# Altium PCB EDA-03518-V3-0_pcb.pcbdoc (part 10 of 14) (continued)
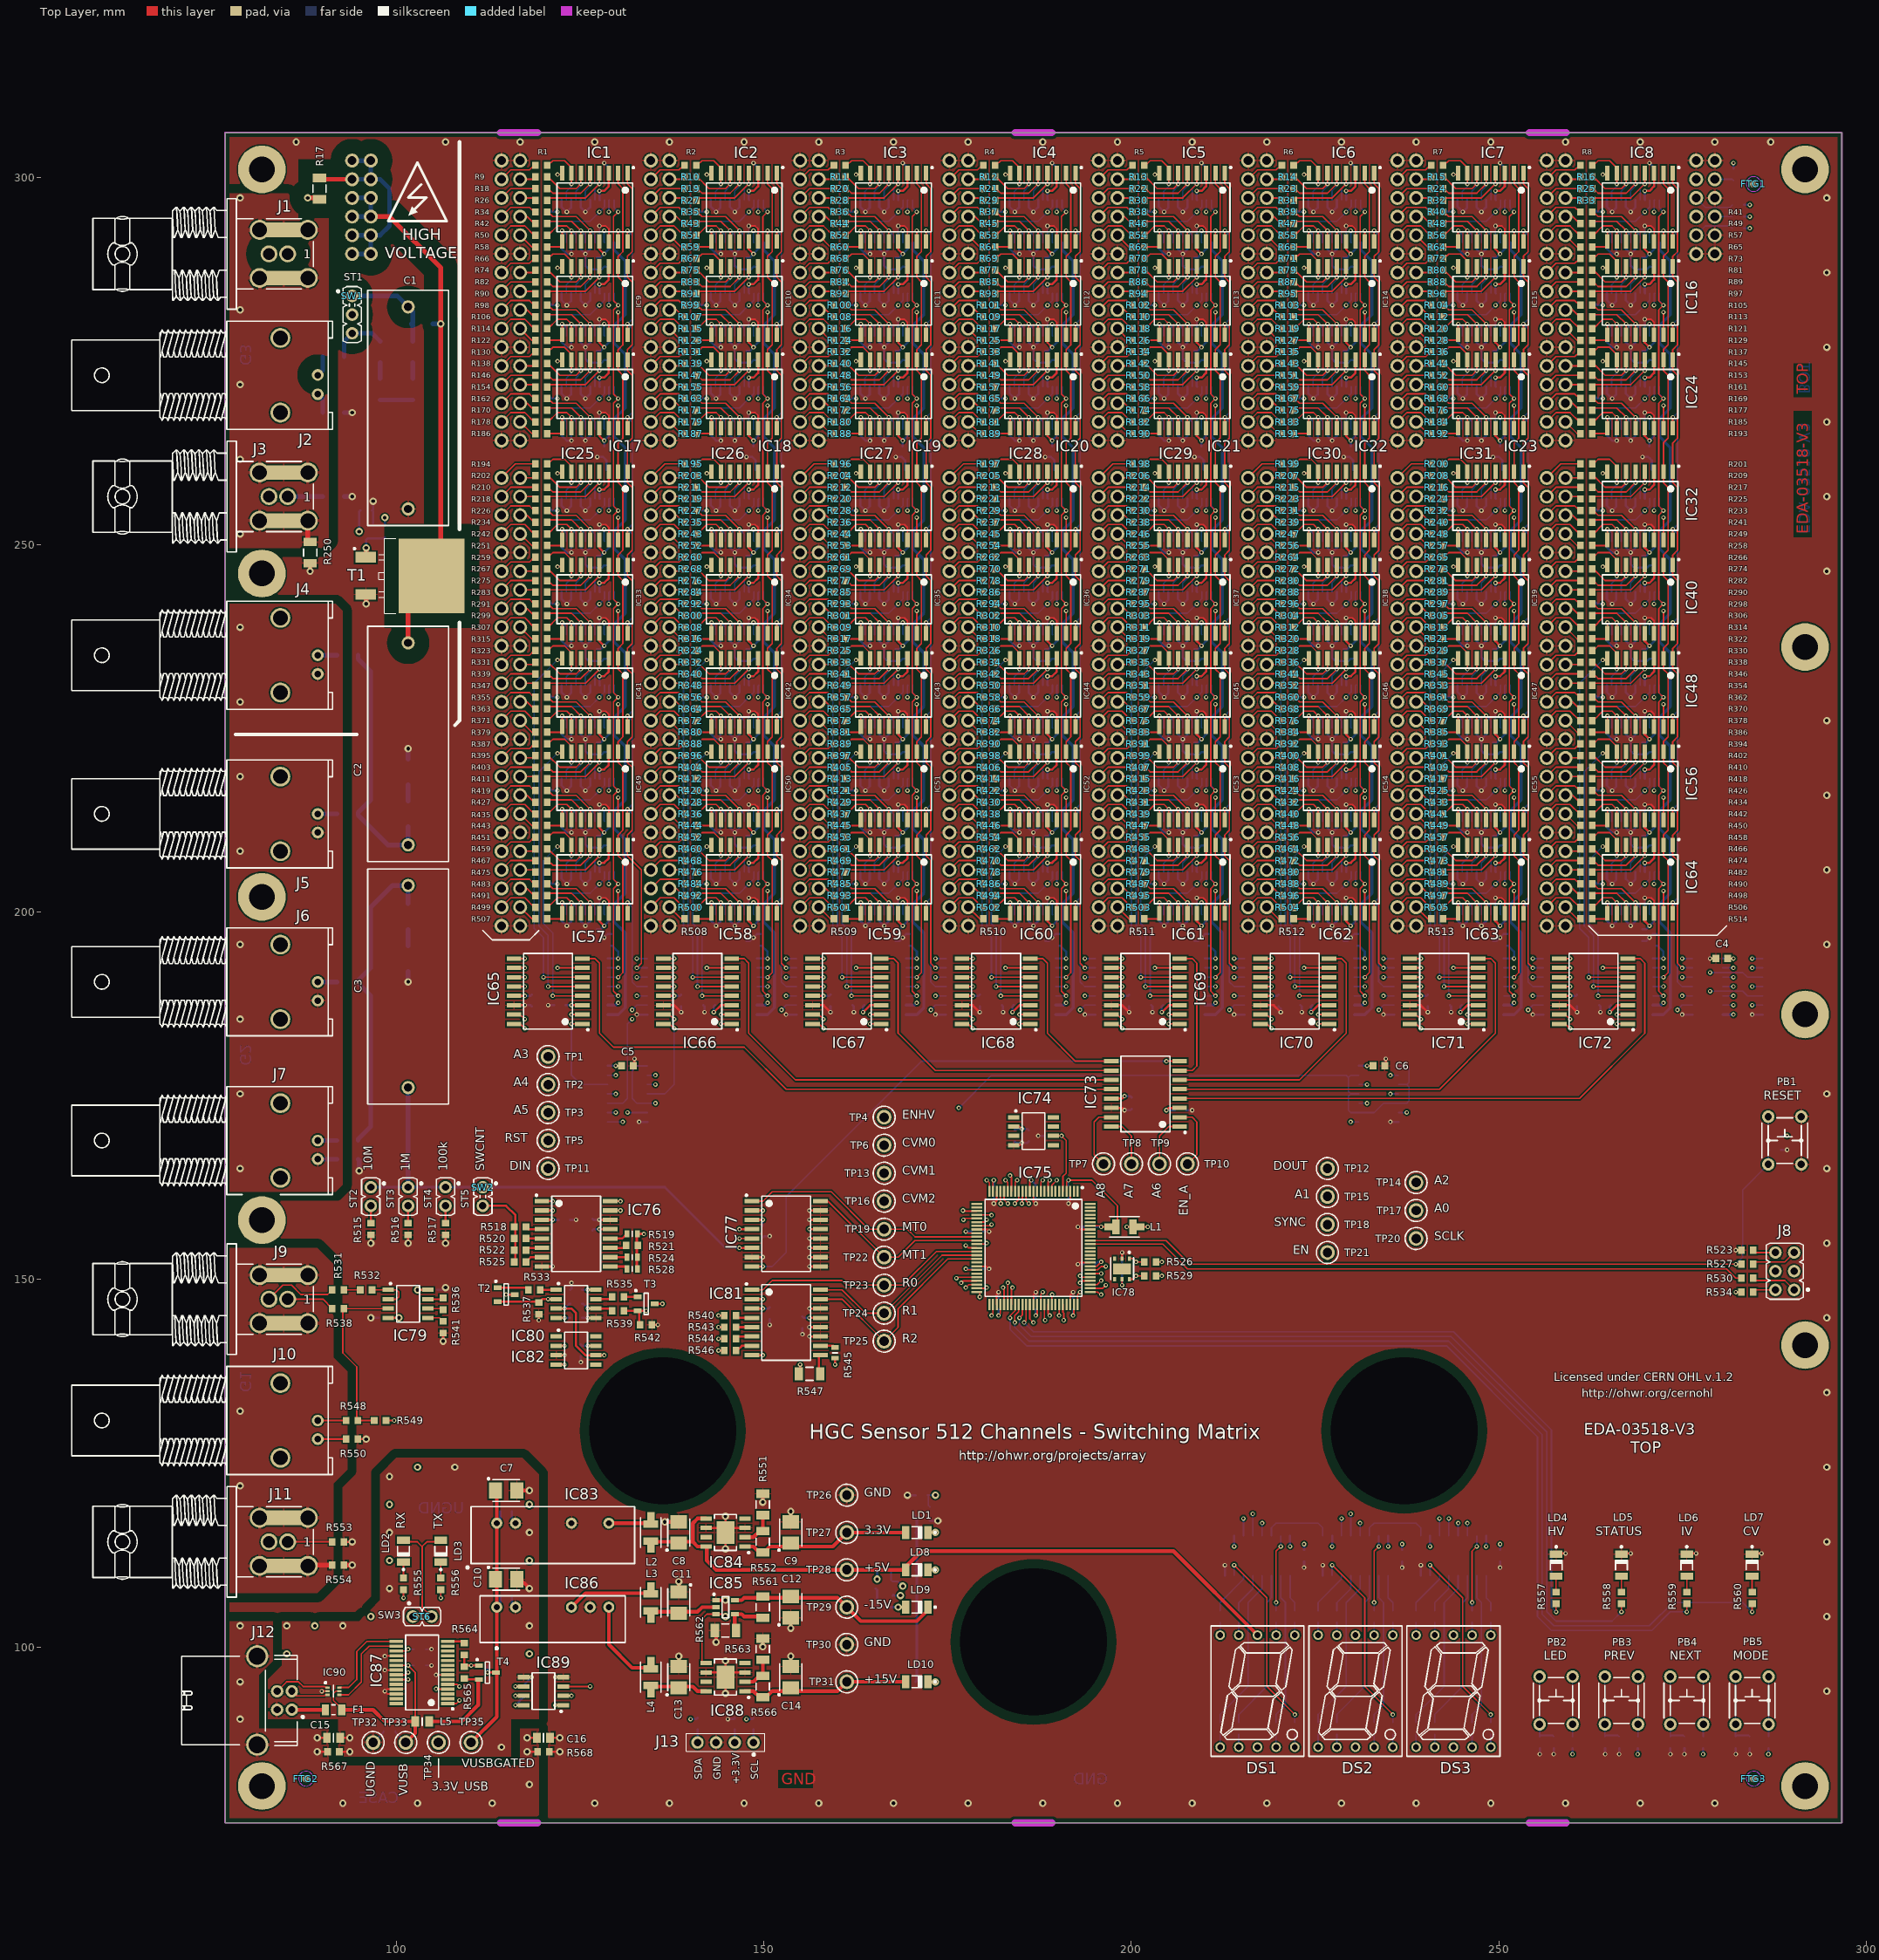
[diagram p0: Top Layer view]
## Nets (pads, with @x,y where several pads share a name; then routed paths per layer and width w, separated by ;. In a path a pad name is that pad's centre, name@x,y a point inside that pad or via, vN(x,y) a via of type N, cw(c..) or ccw(c..) an arc to the next point about the centre after c; other vN are vias at no path point) (continued)
NetIC31_4: IC31.4 IC116.20 R224.2 | length 12
  Top Layer w0.203: R224.2@242.418,256.222 242.735,256.54 247.65,256.54 v1(249.555,258.445) IC31.4@249.555,259.92
  Bottom Layer w0.203: IC116.20@248.942,256.265 248.942,257.832 v1(249.555,258.445)
NetIC31_5: IC31.5 IC116.18 R216.2 | length 10.6
  Top Layer w0.203: R216.2@242.418,257.81 242.57,257.81 243.205,257.175 247.015,257.175 v1(248.285,258.445) IC31.5@248.285,259.92
  Bottom Layer w0.203: IC116.18@247.642,256.265 247.642,257.485 248.285,258.127 v1(248.285,258.445)
NetIC31_6: IC31.6 IC116.16 R208.2 | length 9.5
  Top Layer w0.203: R208.2@242.418,259.397 242.57,259.397 244.157,257.81 246.38,257.81 v1(247.015,258.445) IC31.6@247.015,259.92
  Bottom Layer w0.203: IC116.16@246.342,256.265 246.342,257.455 247.015,258.127 v1(247.015,258.445)
NetIC31_7: IC31.7 IC116.14 R200.2 | length 8.7
  Top Layer w0.203: R200.2@242.418,260.985 242.57,260.985 243.205,261.62 244.792,261.62 245.745,260.667 IC31.7@245.745,259.92 v1(245.745,258.445)
  Bottom Layer w0.203: IC116.14@245.042,256.265 245.042,257.425 245.745,258.127 v1(245.745,258.445)
NetIC31_8: IC31.8 IC71.12 | length 73.9
  Top Layer w0.203: IC71.12@237.92,189.865 v1(239.395,189.865) ; v1(243.84,259.715) 244.27,259.715 IC31.8@244.475,259.92
  L6 w0.203: v1(239.395,189.865) 242.57,193.04 242.57,258.445 v1(243.84,259.715)
NetIC31_9: IC31.9 IC116.11 R257.2 | length 6.1
  Top Layer w0.203: R257.2@242.418,249.873 244.475,249.873 IC31.9@244.475,250.62 v1(244.475,252.095)
  Bottom Layer w0.203: v1(244.475,252.095) 245.042,251.528 IC116.11@245.042,250.465
NetIC31_10: IC31.10 IC116.9 R248.2 | length 7.5
  Top Layer w0.203: R248.2@242.418,251.46 242.57,251.46 243.84,252.73 245.11,252.73 v1(245.745,252.095) IC31.10@245.745,250.62
  Bottom Layer w0.203: v1(245.745,252.095) 246.342,251.498 IC116.9@246.342,250.465
NetIC31_11: IC31.11 IC116.7 R240.2 | length 8.6
  Top Layer w0.203: R240.2@242.418,253.047 242.735,253.365 245.745,253.365 v1(247.015,252.095) IC31.11@247.015,250.62
  Bottom Layer w0.203: v1(247.015,252.095) 247.642,251.468 IC116.7@247.642,250.465
NetIC31_12: IC31.12 IC116.5 R232.2 | length 10.3
  Top Layer w0.203: R232.2@242.418,254.635 242.57,254.635 243.205,254 246.38,254 v1(248.285,252.095) IC31.12@248.285,250.62
  Bottom Layer w0.203: v1(248.285,252.095) 248.942,251.438 IC116.5@248.942,250.465
NetIC32_4: IC32.4 IC115.20 R225.2 | length 12
  Top Layer w0.203: R225.2@262.738,256.222 263.055,256.54 267.97,256.54 v1(269.875,258.445) IC32.4@269.875,259.92
  Bottom Layer w0.203: IC115.20@269.262,256.265 269.262,257.832 v1(269.875,258.445)
NetIC32_5: IC32.5 IC115.18 R217.2 | length 10.6
  Top Layer w0.203: R217.2@262.738,257.81 262.89,257.81 263.525,257.175 267.335,257.175 v1(268.605,258.445) IC32.5@268.605,259.92
  Bottom Layer w0.203: IC115.18@267.962,256.265 267.962,257.485 268.605,258.127 v1(268.605,258.445)
NetIC32_6: IC32.6 IC115.16 R209.2 | length 9.5
  Top Layer w0.203: R209.2@262.738,259.397 262.89,259.397 264.477,257.81 266.7,257.81 v1(267.335,258.445) IC32.6@267.335,259.92
  Bottom Layer w0.203: IC115.16@266.662,256.265 266.662,257.455 267.335,258.127 v1(267.335,258.445)
NetIC32_7: IC32.7 IC115.14 R201.2 | length 8.7
  Top Layer w0.203: R201.2@262.738,260.985 262.89,260.985 263.525,261.62 265.113,261.62 266.065,260.667 IC32.7@266.065,259.92 v1(266.065,258.445)
  Bottom Layer w0.203: IC115.14@265.362,256.265 265.362,257.425 266.065,258.127 v1(266.065,258.445)
NetIC32_8: IC32.8 IC72.12 | length 73.9
  Top Layer w0.203: IC72.12@258.24,189.865 v1(259.715,189.865) ; v1(264.16,259.715) 264.59,259.715 IC32.8@264.795,259.92
  L6 w0.203: v1(259.715,189.865) 262.89,193.04 262.89,258.445 v1(264.16,259.715)
NetIC32_9: IC32.9 IC115.11 R258.2 | length 6.1
  Top Layer w0.203: R258.2@262.738,249.873 264.795,249.873 IC32.9@264.795,250.62 v1(264.795,252.095)
  Bottom Layer w0.203: v1(264.795,252.095) 265.362,251.528 IC115.11@265.362,250.465
NetIC32_10: IC32.10 IC115.9 R249.2 | length 7.5
  Top Layer w0.203: R249.2@262.738,251.46 262.89,251.46 264.16,252.73 265.43,252.73 v1(266.065,252.095) IC32.10@266.065,250.62
  Bottom Layer w0.203: v1(266.065,252.095) 266.662,251.498 IC115.9@266.662,250.465
NetIC32_11: IC32.11 IC115.7 R241.2 | length 8.6
  Top Layer w0.203: R241.2@262.738,253.047 263.055,253.365 266.065,253.365 v1(267.335,252.095) IC32.11@267.335,250.62
  Bottom Layer w0.203: v1(267.335,252.095) 267.962,251.468 IC115.7@267.962,250.465
NetIC32_12: IC32.12 IC115.5 R233.2 | length 10.3
  Top Layer w0.203: R233.2@262.738,254.635 262.89,254.635 263.525,254 266.7,254 v1(268.605,252.095) IC32.12@268.605,250.62
  Bottom Layer w0.203: v1(268.605,252.095) 269.262,251.438 IC115.5@269.262,250.465
NetIC33_4: IC33.4 IC130.20 R283.2 | length 12
  Top Layer w0.203: R283.2@120.498,243.522 120.815,243.84 125.73,243.84 v1(127.635,245.745) IC33.4@127.635,247.22
  Bottom Layer w0.203: IC130.20@127.022,243.565 127.022,245.132 v1(127.635,245.745)
NetIC33_5: IC33.5 IC130.18 R275.2 | length 10.6
  Top Layer w0.203: R275.2@120.498,245.11 120.65,245.11 121.285,244.475 125.095,244.475 v1(126.365,245.745) IC33.5@126.365,247.22
  Bottom Layer w0.203: IC130.18@125.722,243.565 125.722,244.785 126.365,245.427 v1(126.365,245.745)
NetIC33_6: IC33.6 IC130.16 R267.2 | length 9.5
  Top Layer w0.203: R267.2@120.498,246.697 120.65,246.697 122.237,245.11 124.46,245.11 v1(125.095,245.745) IC33.6@125.095,247.22
  Bottom Layer w0.203: IC130.16@124.422,243.565 124.422,244.755 125.095,245.427 v1(125.095,245.745)
NetIC33_7: IC33.7 IC130.14 R259.2 | length 8.7
  Top Layer w0.203: R259.2@120.498,248.285 120.65,248.285 121.285,248.92 122.872,248.92 123.825,247.968 IC33.7@123.825,247.22 v1(123.825,245.745)
  Bottom Layer w0.203: IC130.14@123.122,243.565 123.122,244.725 123.825,245.427 v1(123.825,245.745)
NetIC33_8: IC33.8 IC65.7 | length 59.2
  Top Layer w0.203: v1(121.92,192.405) IC65.7@125.3,192.405 ; v1(121.92,247.015) 122.35,247.015 IC33.8@122.555,247.22
  L6 w0.203: v1(121.92,192.405) 121.285,193.04 121.285,246.38 v1(121.92,247.015)
NetIC33_9: IC33.9 IC130.11 R315.2 | length 6.1
  Top Layer w0.203: R315.2@120.498,237.172 122.555,237.172 IC33.9@122.555,237.92 v1(122.555,239.395)
  Bottom Layer w0.203: v1(122.555,239.395) 123.122,238.828 IC130.11@123.122,237.765
NetIC33_10: IC33.10 IC130.9 R307.2 | length 7.5
  Top Layer w0.203: R307.2@120.498,238.76 120.65,238.76 121.92,240.03 123.19,240.03 v1(123.825,239.395) IC33.10@123.825,237.92
  Bottom Layer w0.203: v1(123.825,239.395) 124.422,238.798 IC130.9@124.422,237.765
NetIC33_11: IC33.11 IC130.7 R299.2 | length 8.6
  Top Layer w0.203: R299.2@120.498,240.347 120.815,240.665 123.825,240.665 v1(125.095,239.395) IC33.11@125.095,237.92
  Bottom Layer w0.203: v1(125.095,239.395) 125.722,238.768 IC130.7@125.722,237.765
NetIC33_12: IC33.12 IC130.5 R291.2 | length 10.3
  Top Layer w0.203: R291.2@120.498,241.935 120.65,241.935 121.285,241.3 124.46,241.3 v1(126.365,239.395) IC33.12@126.365,237.92
  Bottom Layer w0.203: v1(126.365,239.395) 127.022,238.738 IC130.5@127.022,237.765
NetIC34_4: IC34.4 IC129.20 R284.2 | length 12
  Top Layer w0.203: R284.2@140.818,243.522 141.135,243.84 146.05,243.84 v1(147.955,245.745) IC34.4@147.955,247.22
  Bottom Layer w0.203: IC129.20@147.342,243.565 147.342,245.132 v1(147.955,245.745)
NetIC34_5: IC34.5 IC129.18 R276.2 | length 10.6
  Top Layer w0.203: R276.2@140.818,245.11 140.97,245.11 141.605,244.475 145.415,244.475 v1(146.685,245.745) IC34.5@146.685,247.22
  Bottom Layer w0.203: IC129.18@146.042,243.565 146.042,244.785 146.685,245.427 v1(146.685,245.745)
NetIC34_6: IC34.6 IC129.16 R268.2 | length 9.5
  Top Layer w0.203: R268.2@140.818,246.697 140.97,246.697 142.558,245.11 144.78,245.11 v1(145.415,245.745) IC34.6@145.415,247.22
  Bottom Layer w0.203: IC129.16@144.742,243.565 144.742,244.755 145.415,245.427 v1(145.415,245.745)
NetIC34_7: IC34.7 IC129.14 R260.2 | length 8.7
  Top Layer w0.203: R260.2@140.818,248.285 140.97,248.285 141.605,248.92 143.192,248.92 144.145,247.968 IC34.7@144.145,247.22 v1(144.145,245.745)
  Bottom Layer w0.203: IC129.14@143.442,243.565 143.442,244.725 144.145,245.427 v1(144.145,245.745)
NetIC34_8: IC34.8 IC66.7 | length 59.2
  Top Layer w0.203: v1(142.24,192.405) IC66.7@145.62,192.405 ; v1(142.24,247.015) 142.67,247.015 IC34.8@142.875,247.22
  L6 w0.203: v1(142.24,192.405) 141.605,193.04 141.605,246.38 v1(142.24,247.015)
NetIC34_9: IC34.9 IC129.11 R316.2 | length 6.1
  Top Layer w0.203: R316.2@140.818,237.172 142.875,237.172 IC34.9@142.875,237.92 v1(142.875,239.395)
  Bottom Layer w0.203: v1(142.875,239.395) 143.442,238.828 IC129.11@143.442,237.765
NetIC34_10: IC34.10 IC129.9 R308.2 | length 7.5
  Top Layer w0.203: R308.2@140.818,238.76 140.97,238.76 142.24,240.03 143.51,240.03 v1(144.145,239.395) IC34.10@144.145,237.92
  Bottom Layer w0.203: v1(144.145,239.395) 144.742,238.798 IC129.9@144.742,237.765
NetIC34_11: IC34.11 IC129.7 R300.2 | length 8.6
  Top Layer w0.203: R300.2@140.818,240.347 141.135,240.665 144.145,240.665 v1(145.415,239.395) IC34.11@145.415,237.92
  Bottom Layer w0.203: v1(145.415,239.395) 146.042,238.768 IC129.7@146.042,237.765
NetIC34_12: IC34.12 IC129.5 R292.2 | length 10.3
  Top Layer w0.203: R292.2@140.818,241.935 140.97,241.935 141.605,241.3 144.78,241.3 v1(146.685,239.395) IC34.12@146.685,237.92
  Bottom Layer w0.203: v1(146.685,239.395) 147.342,238.738 IC129.5@147.342,237.765
NetIC35_4: IC35.4 IC128.20 R285.2 | length 12
  Top Layer w0.203: R285.2@161.138,243.522 161.455,243.84 166.37,243.84 v1(168.275,245.745) IC35.4@168.275,247.22
  Bottom Layer w0.203: IC128.20@167.662,243.565 167.662,245.132 v1(168.275,245.745)
NetIC35_5: IC35.5 IC128.18 R277.2 | length 10.6
  Top Layer w0.203: R277.2@161.138,245.11 161.29,245.11 161.925,244.475 165.735,244.475 v1(167.005,245.745) IC35.5@167.005,247.22
  Bottom Layer w0.203: IC128.18@166.362,243.565 166.362,244.785 167.005,245.427 v1(167.005,245.745)
NetIC35_6: IC35.6 IC128.16 R269.2 | length 9.5
  Top Layer w0.203: R269.2@161.138,246.697 161.29,246.697 162.877,245.11 165.1,245.11 v1(165.735,245.745) IC35.6@165.735,247.22
  Bottom Layer w0.203: IC128.16@165.062,243.565 165.062,244.755 165.735,245.427 v1(165.735,245.745)
NetIC35_7: IC35.7 IC128.14 R261.2 | length 8.7
  Top Layer w0.203: R261.2@161.138,248.285 161.29,248.285 161.925,248.92 163.512,248.92 164.465,247.968 IC35.7@164.465,247.22 v1(164.465,245.745)
  Bottom Layer w0.203: IC128.14@163.762,243.565 163.762,244.725 164.465,245.427 v1(164.465,245.745)
NetIC35_8: IC35.8 IC67.7 | length 59.2
  Top Layer w0.203: v1(162.56,192.405) IC67.7@165.94,192.405 ; v1(162.56,247.015) 162.99,247.015 IC35.8@163.195,247.22
  L6 w0.203: v1(162.56,192.405) 161.925,193.04 161.925,246.38 v1(162.56,247.015)
NetIC35_9: IC35.9 IC128.11 R317.2 | length 6.1
  Top Layer w0.203: R317.2@161.138,237.172 163.195,237.172 IC35.9@163.195,237.92 v1(163.195,239.395)
  Bottom Layer w0.203: v1(163.195,239.395) 163.762,238.828 IC128.11@163.762,237.765
NetIC35_10: IC35.10 IC128.9 R309.2 | length 7.5
  Top Layer w0.203: R309.2@161.138,238.76 161.29,238.76 162.56,240.03 163.83,240.03 v1(164.465,239.395) IC35.10@164.465,237.92
  Bottom Layer w0.203: v1(164.465,239.395) 165.062,238.798 IC128.9@165.062,237.765
NetIC35_11: IC35.11 IC128.7 R301.2 | length 8.6
  Top Layer w0.203: R301.2@161.138,240.347 161.455,240.665 164.465,240.665 v1(165.735,239.395) IC35.11@165.735,237.92
  Bottom Layer w0.203: v1(165.735,239.395) 166.362,238.768 IC128.7@166.362,237.765
NetIC35_12: IC35.12 IC128.5 R293.2 | length 10.3
  Top Layer w0.203: R293.2@161.138,241.935 161.29,241.935 161.925,241.3 165.1,241.3 v1(167.005,239.395) IC35.12@167.005,237.92
  Bottom Layer w0.203: v1(167.005,239.395) 167.662,238.738 IC128.5@167.662,237.765
NetIC36_4: IC36.4 IC127.20 R286.2 | length 12
  Top Layer w0.203: R286.2@181.458,243.522 181.775,243.84 186.69,243.84 v1(188.595,245.745) IC36.4@188.595,247.22
  Bottom Layer w0.203: IC127.20@187.982,243.565 187.982,245.132 v1(188.595,245.745)
NetIC36_5: IC36.5 IC127.18 R278.2 | length 10.6
  Top Layer w0.203: R278.2@181.458,245.11 181.61,245.11 182.245,244.475 186.055,244.475 v1(187.325,245.745) IC36.5@187.325,247.22
  Bottom Layer w0.203: IC127.18@186.682,243.565 186.682,244.785 187.325,245.427 v1(187.325,245.745)
NetIC36_6: IC36.6 IC127.16 R270.2 | length 9.5
  Top Layer w0.203: R270.2@181.458,246.697 181.61,246.697 183.197,245.11 185.42,245.11 v1(186.055,245.745) IC36.6@186.055,247.22
  Bottom Layer w0.203: IC127.16@185.382,243.565 185.382,244.755 186.055,245.427 v1(186.055,245.745)
NetIC36_7: IC36.7 IC127.14 R262.2 | length 8.7
  Top Layer w0.203: R262.2@181.458,248.285 181.61,248.285 182.245,248.92 183.832,248.92 184.785,247.968 IC36.7@184.785,247.22 v1(184.785,245.745)
  Bottom Layer w0.203: IC127.14@184.082,243.565 184.082,244.725 184.785,245.427 v1(184.785,245.745)
NetIC36_8: IC36.8 IC68.7 | length 59.2
  Top Layer w0.203: v1(182.88,192.405) IC68.7@186.26,192.405 ; v1(182.88,247.015) 183.31,247.015 IC36.8@183.515,247.22
  L6 w0.203: v1(182.88,192.405) 182.245,193.04 182.245,246.38 v1(182.88,247.015)
NetIC36_9: IC36.9 IC127.11 R318.2 | length 6.1
  Top Layer w0.203: R318.2@181.458,237.172 183.515,237.172 IC36.9@183.515,237.92 v1(183.515,239.395)
  Bottom Layer w0.203: v1(183.515,239.395) 184.082,238.828 IC127.11@184.082,237.765
NetIC36_10: IC36.10 IC127.9 R310.2 | length 7.5
  Top Layer w0.203: R310.2@181.458,238.76 181.61,238.76 182.88,240.03 184.15,240.03 v1(184.785,239.395) IC36.10@184.785,237.92
  Bottom Layer w0.203: v1(184.785,239.395) 185.382,238.798 IC127.9@185.382,237.765
NetIC36_11: IC36.11 IC127.7 R302.2 | length 8.6
  Top Layer w0.203: R302.2@181.458,240.347 181.775,240.665 184.785,240.665 v1(186.055,239.395) IC36.11@186.055,237.92
  Bottom Layer w0.203: v1(186.055,239.395) 186.682,238.768 IC127.7@186.682,237.765
NetIC36_12: IC36.12 IC127.5 R294.2 | length 10.3
  Top Layer w0.203: R294.2@181.458,241.935 181.61,241.935 182.245,241.3 185.42,241.3 v1(187.325,239.395) IC36.12@187.325,237.92
  Bottom Layer w0.203: v1(187.325,239.395) 187.982,238.738 IC127.5@187.982,237.765
NetIC37_4: IC37.4 IC126.20 R287.2 | length 12
  Top Layer w0.203: R287.2@201.778,243.522 202.095,243.84 207.01,243.84 v1(208.915,245.745) IC37.4@208.915,247.22
  Bottom Layer w0.203: IC126.20@208.302,243.565 208.302,245.132 v1(208.915,245.745)
NetIC37_5: IC37.5 IC126.18 R279.2 | length 10.6
  Top Layer w0.203: R279.2@201.778,245.11 201.93,245.11 202.565,244.475 206.375,244.475 v1(207.645,245.745) IC37.5@207.645,247.22
  Bottom Layer w0.203: IC126.18@207.002,243.565 207.002,244.785 207.645,245.427 v1(207.645,245.745)
NetIC37_6: IC37.6 IC126.16 R271.2 | length 9.5
  Top Layer w0.203: R271.2@201.778,246.697 201.93,246.697 203.517,245.11 205.74,245.11 v1(206.375,245.745) IC37.6@206.375,247.22
  Bottom Layer w0.203: IC126.16@205.702,243.565 205.702,244.755 206.375,245.427 v1(206.375,245.745)
NetIC37_7: IC37.7 IC126.14 R263.2 | length 8.7
  Top Layer w0.203: R263.2@201.778,248.285 201.93,248.285 202.565,248.92 204.153,248.92 205.105,247.968 IC37.7@205.105,247.22 v1(205.105,245.745)
  Bottom Layer w0.203: IC126.14@204.402,243.565 204.402,244.725 205.105,245.427 v1(205.105,245.745)
NetIC37_8: IC37.8 IC69.7 | length 59.2
  Top Layer w0.203: v1(203.2,192.405) IC69.7@206.58,192.405 ; v1(203.2,247.015) 203.63,247.015 IC37.8@203.835,247.22
  L6 w0.203: v1(203.2,192.405) 202.565,193.04 202.565,246.38 v1(203.2,247.015)
NetIC37_9: IC37.9 IC126.11 R319.2 | length 6.1
  Top Layer w0.203: R319.2@201.778,237.172 203.835,237.172 IC37.9@203.835,237.92 v1(203.835,239.395)
  Bottom Layer w0.203: v1(203.835,239.395) 204.402,238.828 IC126.11@204.402,237.765
NetIC37_10: IC37.10 IC126.9 R311.2 | length 7.5
  Top Layer w0.203: R311.2@201.778,238.76 201.93,238.76 203.2,240.03 204.47,240.03 v1(205.105,239.395) IC37.10@205.105,237.92
  Bottom Layer w0.203: v1(205.105,239.395) 205.702,238.798 IC126.9@205.702,237.765
NetIC37_11: IC37.11 IC126.7 R303.2 | length 8.6
  Top Layer w0.203: R303.2@201.778,240.347 202.095,240.665 205.105,240.665 v1(206.375,239.395) IC37.11@206.375,237.92
  Bottom Layer w0.203: v1(206.375,239.395) 207.002,238.768 IC126.7@207.002,237.765
NetIC37_12: IC37.12 IC126.5 R295.2 | length 10.3
  Top Layer w0.203: R295.2@201.778,241.935 201.93,241.935 202.565,241.3 205.74,241.3 v1(207.645,239.395) IC37.12@207.645,237.92
  Bottom Layer w0.203: v1(207.645,239.395) 208.302,238.738 IC126.5@208.302,237.765
NetIC38_4: IC38.4 IC125.20 R288.2 | length 12
  Top Layer w0.203: R288.2@222.098,243.522 222.415,243.84 227.33,243.84 v1(229.235,245.745) IC38.4@229.235,247.22
  Bottom Layer w0.203: IC125.20@228.622,243.565 228.622,245.132 v1(229.235,245.745)
NetIC38_5: IC38.5 IC125.18 R280.2 | length 10.6
  Top Layer w0.203: R280.2@222.098,245.11 222.25,245.11 222.885,244.475 226.695,244.475 v1(227.965,245.745) IC38.5@227.965,247.22
  Bottom Layer w0.203: IC125.18@227.322,243.565 227.322,244.785 227.965,245.427 v1(227.965,245.745)
NetIC38_6: IC38.6 IC125.16 R272.2 | length 9.5
  Top Layer w0.203: R272.2@222.098,246.697 222.25,246.697 223.837,245.11 226.06,245.11 v1(226.695,245.745) IC38.6@226.695,247.22
  Bottom Layer w0.203: IC125.16@226.022,243.565 226.022,244.755 226.695,245.427 v1(226.695,245.745)
NetIC38_7: IC38.7 IC125.14 R264.2 | length 8.7
  Top Layer w0.203: R264.2@222.098,248.285 222.25,248.285 222.885,248.92 224.472,248.92 225.425,247.968 IC38.7@225.425,247.22 v1(225.425,245.745)
  Bottom Layer w0.203: IC125.14@224.722,243.565 224.722,244.725 225.425,245.427 v1(225.425,245.745)
NetIC38_8: IC38.8 IC70.7 | length 59.2
  Top Layer w0.203: v1(223.52,192.405) IC70.7@226.9,192.405 ; v1(223.52,247.015) 223.95,247.015 IC38.8@224.155,247.22
  L6 w0.203: v1(223.52,192.405) 222.885,193.04 222.885,246.38 v1(223.52,247.015)
NetIC38_9: IC38.9 IC125.11 R320.2 | length 6.1
  Top Layer w0.203: R320.2@222.098,237.172 224.155,237.172 IC38.9@224.155,237.92 v1(224.155,239.395)
  Bottom Layer w0.203: v1(224.155,239.395) 224.722,238.828 IC125.11@224.722,237.765
NetIC38_10: IC38.10 IC125.9 R312.2 | length 7.5
  Top Layer w0.203: R312.2@222.098,238.76 222.25,238.76 223.52,240.03 224.79,240.03 v1(225.425,239.395) IC38.10@225.425,237.92
  Bottom Layer w0.203: v1(225.425,239.395) 226.022,238.798 IC125.9@226.022,237.765
NetIC38_11: IC38.11 IC125.7 R304.2 | length 8.6
  Top Layer w0.203: R304.2@222.098,240.347 222.415,240.665 225.425,240.665 v1(226.695,239.395) IC38.11@226.695,237.92
  Bottom Layer w0.203: v1(226.695,239.395) 227.322,238.768 IC125.7@227.322,237.765
NetIC38_12: IC38.12 IC125.5 R296.2 | length 10.3
  Top Layer w0.203: R296.2@222.098,241.935 222.25,241.935 222.885,241.3 226.06,241.3 v1(227.965,239.395) IC38.12@227.965,237.92
  Bottom Layer w0.203: v1(227.965,239.395) 228.622,238.738 IC125.5@228.622,237.765
NetIC39_4: IC39.4 IC124.20 R289.2 | length 12
  Top Layer w0.203: R289.2@242.418,243.522 242.735,243.84 247.65,243.84 v1(249.555,245.745) IC39.4@249.555,247.22
  Bottom Layer w0.203: IC124.20@248.942,243.565 248.942,245.132 v1(249.555,245.745)
NetIC39_5: IC39.5 IC124.18 R281.2 | length 10.6
  Top Layer w0.203: R281.2@242.418,245.11 242.57,245.11 243.205,244.475 247.015,244.475 v1(248.285,245.745) IC39.5@248.285,247.22
  Bottom Layer w0.203: IC124.18@247.642,243.565 247.642,244.785 248.285,245.427 v1(248.285,245.745)
NetIC39_6: IC39.6 IC124.16 R273.2 | length 9.5
  Top Layer w0.203: R273.2@242.418,246.697 242.57,246.697 244.157,245.11 246.38,245.11 v1(247.015,245.745) IC39.6@247.015,247.22
  Bottom Layer w0.203: IC124.16@246.342,243.565 246.342,244.755 247.015,245.427 v1(247.015,245.745)
NetIC39_7: IC39.7 IC124.14 R265.2 | length 8.7
  Top Layer w0.203: R265.2@242.418,248.285 242.57,248.285 243.205,248.92 244.792,248.92 245.745,247.968 IC39.7@245.745,247.22 v1(245.745,245.745)
  Bottom Layer w0.203: IC124.14@245.042,243.565 245.042,244.725 245.745,245.427 v1(245.745,245.745)
NetIC39_8: IC39.8 IC71.7 | length 59.2
  Top Layer w0.203: v1(243.84,192.405) IC71.7@247.22,192.405 ; v1(243.84,247.015) 244.27,247.015 IC39.8@244.475,247.22
  L6 w0.203: v1(243.84,192.405) 243.205,193.04 243.205,246.38 v1(243.84,247.015)
NetIC39_9: IC39.9 IC124.11 R321.2 | length 6.1
  Top Layer w0.203: R321.2@242.418,237.172 244.475,237.172 IC39.9@244.475,237.92 v1(244.475,239.395)
  Bottom Layer w0.203: v1(244.475,239.395) 245.042,238.828 IC124.11@245.042,237.765
NetIC39_10: IC39.10 IC124.9 R313.2 | length 7.5
  Top Layer w0.203: R313.2@242.418,238.76 242.57,238.76 243.84,240.03 245.11,240.03 v1(245.745,239.395) IC39.10@245.745,237.92
  Bottom Layer w0.203: v1(245.745,239.395) 246.342,238.798 IC124.9@246.342,237.765
NetIC39_11: IC39.11 IC124.7 R305.2 | length 8.6
  Top Layer w0.203: R305.2@242.418,240.347 242.735,240.665 245.745,240.665 v1(247.015,239.395) IC39.11@247.015,237.92
  Bottom Layer w0.203: v1(247.015,239.395) 247.642,238.768 IC124.7@247.642,237.765
NetIC39_12: IC39.12 IC124.5 R297.2 | length 10.3
  Top Layer w0.203: R297.2@242.418,241.935 242.57,241.935 243.205,241.3 246.38,241.3 v1(248.285,239.395) IC39.12@248.285,237.92
  Bottom Layer w0.203: v1(248.285,239.395) 248.942,238.738 IC124.5@248.942,237.765
NetIC40_4: IC40.4 IC123.20 R290.2 | length 12
  Top Layer w0.203: R290.2@262.738,243.522 263.055,243.84 267.97,243.84 v1(269.875,245.745) IC40.4@269.875,247.22
  Bottom Layer w0.203: IC123.20@269.262,243.565 269.262,245.132 v1(269.875,245.745)
NetIC40_5: IC40.5 IC123.18 R282.2 | length 10.6
  Top Layer w0.203: R282.2@262.738,245.11 262.89,245.11 263.525,244.475 267.335,244.475 v1(268.605,245.745) IC40.5@268.605,247.22
  Bottom Layer w0.203: IC123.18@267.962,243.565 267.962,244.785 268.605,245.427 v1(268.605,245.745)
NetIC40_6: IC40.6 IC123.16 R274.2 | length 9.5
  Top Layer w0.203: R274.2@262.738,246.697 262.89,246.697 264.477,245.11 266.7,245.11 v1(267.335,245.745) IC40.6@267.335,247.22
  Bottom Layer w0.203: IC123.16@266.662,243.565 266.662,244.755 267.335,245.427 v1(267.335,245.745)
NetIC40_7: IC40.7 IC123.14 R266.2 | length 8.7
  Top Layer w0.203: R266.2@262.738,248.285 262.89,248.285 263.525,248.92 265.113,248.92 266.065,247.968 IC40.7@266.065,247.22 v1(266.065,245.745)
  Bottom Layer w0.203: IC123.14@265.362,243.565 265.362,244.725 266.065,245.427 v1(266.065,245.745)
NetIC40_8: IC40.8 IC72.7 | length 59.2
  Top Layer w0.203: v1(264.16,192.405) IC72.7@267.54,192.405 ; v1(264.16,247.015) 264.59,247.015 IC40.8@264.795,247.22
  L6 w0.203: v1(264.16,192.405) 263.525,193.04 263.525,246.38 v1(264.16,247.015)
NetIC40_9: IC40.9 IC123.11 R322.2 | length 6.1
  Top Layer w0.203: R322.2@262.738,237.172 264.795,237.172 IC40.9@264.795,237.92 v1(264.795,239.395)
  Bottom Layer w0.203: v1(264.795,239.395) 265.362,238.828 IC123.11@265.362,237.765
NetIC40_10: IC40.10 IC123.9 R314.2 | length 7.5
  Top Layer w0.203: R314.2@262.738,238.76 262.89,238.76 264.16,240.03 265.43,240.03 v1(266.065,239.395) IC40.10@266.065,237.92
  Bottom Layer w0.203: v1(266.065,239.395) 266.662,238.798 IC123.9@266.662,237.765
NetIC40_11: IC40.11 IC123.7 R306.2 | length 8.6
  Top Layer w0.203: R306.2@262.738,240.347 263.055,240.665 266.065,240.665 v1(267.335,239.395) IC40.11@267.335,237.92
  Bottom Layer w0.203: v1(267.335,239.395) 267.962,238.768 IC123.7@267.962,237.765
NetIC40_12: IC40.12 IC123.5 R298.2 | length 10.3
  Top Layer w0.203: R298.2@262.738,241.935 262.89,241.935 263.525,241.3 266.7,241.3 v1(268.605,239.395) IC40.12@268.605,237.92
  Bottom Layer w0.203: v1(268.605,239.395) 269.262,238.738 IC123.5@269.262,237.765
NetIC41_4: IC41.4 IC138.20 R347.2 | length 12
  Top Layer w0.203: R347.2@120.498,230.822 120.815,231.14 125.73,231.14 v1(127.635,233.045) IC41.4@127.635,234.52
  Bottom Layer w0.203: IC138.20@127.022,230.865 127.022,232.432 v1(127.635,233.045)
NetIC41_5: IC41.5 IC138.18 R339.2 | length 10.6
  Top Layer w0.203: R339.2@120.498,232.41 120.65,232.41 121.285,231.775 125.095,231.775 v1(126.365,233.045) IC41.5@126.365,234.52
  Bottom Layer w0.203: IC138.18@125.722,230.865 125.722,232.085 126.365,232.727 v1(126.365,233.045)
NetIC41_6: IC41.6 IC138.16 R331.2 | length 9.5
  Top Layer w0.203: R331.2@120.498,233.998 120.65,233.998 122.237,232.41 124.46,232.41 v1(125.095,233.045) IC41.6@125.095,234.52
  Bottom Layer w0.203: IC138.16@124.422,230.865 124.422,232.055 125.095,232.727 v1(125.095,233.045)
NetIC41_7: IC41.7 IC138.14 R323.2 | length 8.7
  Top Layer w0.203: R323.2@120.498,235.585 120.65,235.585 121.285,236.22 122.872,236.22 123.825,235.267 IC41.7@123.825,234.52 v1(123.825,233.045)
  Bottom Layer w0.203: IC138.14@123.122,230.865 123.122,232.025 123.825,232.727 v1(123.825,233.045)
NetIC41_8: IC41.8 IC65.6 | length 51
  Top Layer w0.203: v1(120.015,191.135) IC65.6@125.3,191.135 ; v1(121.92,234.315) 122.35,234.315 IC41.8@122.555,234.52
  Bottom Layer w0.203: v1(120.015,191.135) 120.015,196.532 118.745,197.802 118.745,231.14 v1(121.92,234.315)
NetIC41_9: IC41.9 IC138.11 R379.2 | length 6.1
  Top Layer w0.203: R379.2@120.498,224.472 122.555,224.472 IC41.9@122.555,225.22 v1(122.555,226.695)
  Bottom Layer w0.203: v1(122.555,226.695) 123.122,226.128 IC138.11@123.122,225.065
NetIC41_10: IC41.10 IC138.9 R371.2 | length 7.5
  Top Layer w0.203: R371.2@120.498,226.06 120.65,226.06 121.92,227.33 123.19,227.33 v1(123.825,226.695) IC41.10@123.825,225.22
  Bottom Layer w0.203: v1(123.825,226.695) 124.422,226.098 IC138.9@124.422,225.065
NetIC41_11: IC41.11 IC138.7 R363.2 | length 8.6
  Top Layer w0.203: R363.2@120.498,227.647 120.815,227.965 123.825,227.965 v1(125.095,226.695) IC41.11@125.095,225.22
  Bottom Layer w0.203: v1(125.095,226.695) 125.722,226.068 IC138.7@125.722,225.065
NetIC41_12: IC41.12 IC138.5 R355.2 | length 10.3
  Top Layer w0.203: R355.2@120.498,229.235 120.65,229.235 121.285,228.6 124.46,228.6 v1(126.365,226.695) IC41.12@126.365,225.22
  Bottom Layer w0.203: v1(126.365,226.695) 127.022,226.038 IC138.5@127.022,225.065
NetIC42_4: IC42.4 IC137.20 R348.2 | length 12
  Top Layer w0.203: R348.2@140.818,230.822 141.135,231.14 146.05,231.14 v1(147.955,233.045) IC42.4@147.955,234.52
  Bottom Layer w0.203: IC137.20@147.342,230.865 147.342,232.432 v1(147.955,233.045)
NetIC42_5: IC42.5 IC137.18 R340.2 | length 10.6
  Top Layer w0.203: R340.2@140.818,232.41 140.97,232.41 141.605,231.775 145.415,231.775 v1(146.685,233.045) IC42.5@146.685,234.52
  Bottom Layer w0.203: IC137.18@146.042,230.865 146.042,232.085 146.685,232.727 v1(146.685,233.045)
NetIC42_6: IC42.6 IC137.16 R332.2 | length 9.5
  Top Layer w0.203: R332.2@140.818,233.998 140.97,233.998 142.558,232.41 144.78,232.41 v1(145.415,233.045) IC42.6@145.415,234.52
  Bottom Layer w0.203: IC137.16@144.742,230.865 144.742,232.055 145.415,232.727 v1(145.415,233.045)
NetIC42_7: IC42.7 IC137.14 R324.2 | length 8.7
  Top Layer w0.203: R324.2@140.818,235.585 140.97,235.585 141.605,236.22 143.192,236.22 144.145,235.267 IC42.7@144.145,234.52 v1(144.145,233.045)
  Bottom Layer w0.203: IC137.14@143.442,230.865 143.442,232.025 144.145,232.727 v1(144.145,233.045)
NetIC42_8: IC42.8 IC66.6 | length 51
  Top Layer w0.203: v1(140.335,191.135) IC66.6@145.62,191.135 ; v1(142.24,234.315) 142.67,234.315 IC42.8@142.875,234.52
  Bottom Layer w0.203: v1(140.335,191.135) 140.335,196.532 139.065,197.802 139.065,231.14 v1(142.24,234.315)
NetIC42_9: IC42.9 IC137.11 R380.2 | length 6.1
  Top Layer w0.203: R380.2@140.818,224.472 142.875,224.472 IC42.9@142.875,225.22 v1(142.875,226.695)
  Bottom Layer w0.203: v1(142.875,226.695) 143.442,226.128 IC137.11@143.442,225.065
NetIC42_10: IC42.10 IC137.9 R372.2 | length 7.5
  Top Layer w0.203: R372.2@140.818,226.06 140.97,226.06 142.24,227.33 143.51,227.33 v1(144.145,226.695) IC42.10@144.145,225.22
  Bottom Layer w0.203: v1(144.145,226.695) 144.742,226.098 IC137.9@144.742,225.065
NetIC42_11: IC42.11 IC137.7 R364.2 | length 8.6
  Top Layer w0.203: R364.2@140.818,227.647 141.135,227.965 144.145,227.965 v1(145.415,226.695) IC42.11@145.415,225.22
  Bottom Layer w0.203: v1(145.415,226.695) 146.042,226.068 IC137.7@146.042,225.065
NetIC42_12: IC42.12 IC137.5 R356.2 | length 10.3
  Top Layer w0.203: R356.2@140.818,229.235 140.97,229.235 141.605,228.6 144.78,228.6 v1(146.685,226.695) IC42.12@146.685,225.22
  Bottom Layer w0.203: v1(146.685,226.695) 147.342,226.038 IC137.5@147.342,225.065
NetIC43_4: IC43.4 IC136.20 R349.2 | length 12
  Top Layer w0.203: R349.2@161.138,230.822 161.455,231.14 166.37,231.14 v1(168.275,233.045) IC43.4@168.275,234.52
  Bottom Layer w0.203: IC136.20@167.662,230.865 167.662,232.432 v1(168.275,233.045)
NetIC43_5: IC43.5 IC136.18 R341.2 | length 10.6
  Top Layer w0.203: R341.2@161.138,232.41 161.29,232.41 161.925,231.775 165.735,231.775 v1(167.005,233.045) IC43.5@167.005,234.52
  Bottom Layer w0.203: IC136.18@166.362,230.865 166.362,232.085 167.005,232.727 v1(167.005,233.045)
NetIC43_6: IC43.6 IC136.16 R333.2 | length 9.5
  Top Layer w0.203: R333.2@161.138,233.998 161.29,233.998 162.877,232.41 165.1,232.41 v1(165.735,233.045) IC43.6@165.735,234.52
  Bottom Layer w0.203: IC136.16@165.062,230.865 165.062,232.055 165.735,232.727 v1(165.735,233.045)